# Altium PCB CanMainControl.PcbDoc
Units mil, origin at the board's own origin, x right, y up, seen from the top; angles counter-clockwise.
Board outline 3165 x 3025 mil, 4 copper layers (Top Layer, Signal, Power, Bottom Layer), stack 23.756 mil thick; 119 components, 119 nets, 460 pads, 196 vias.
Unrouted connection lines stored in the file: 74.
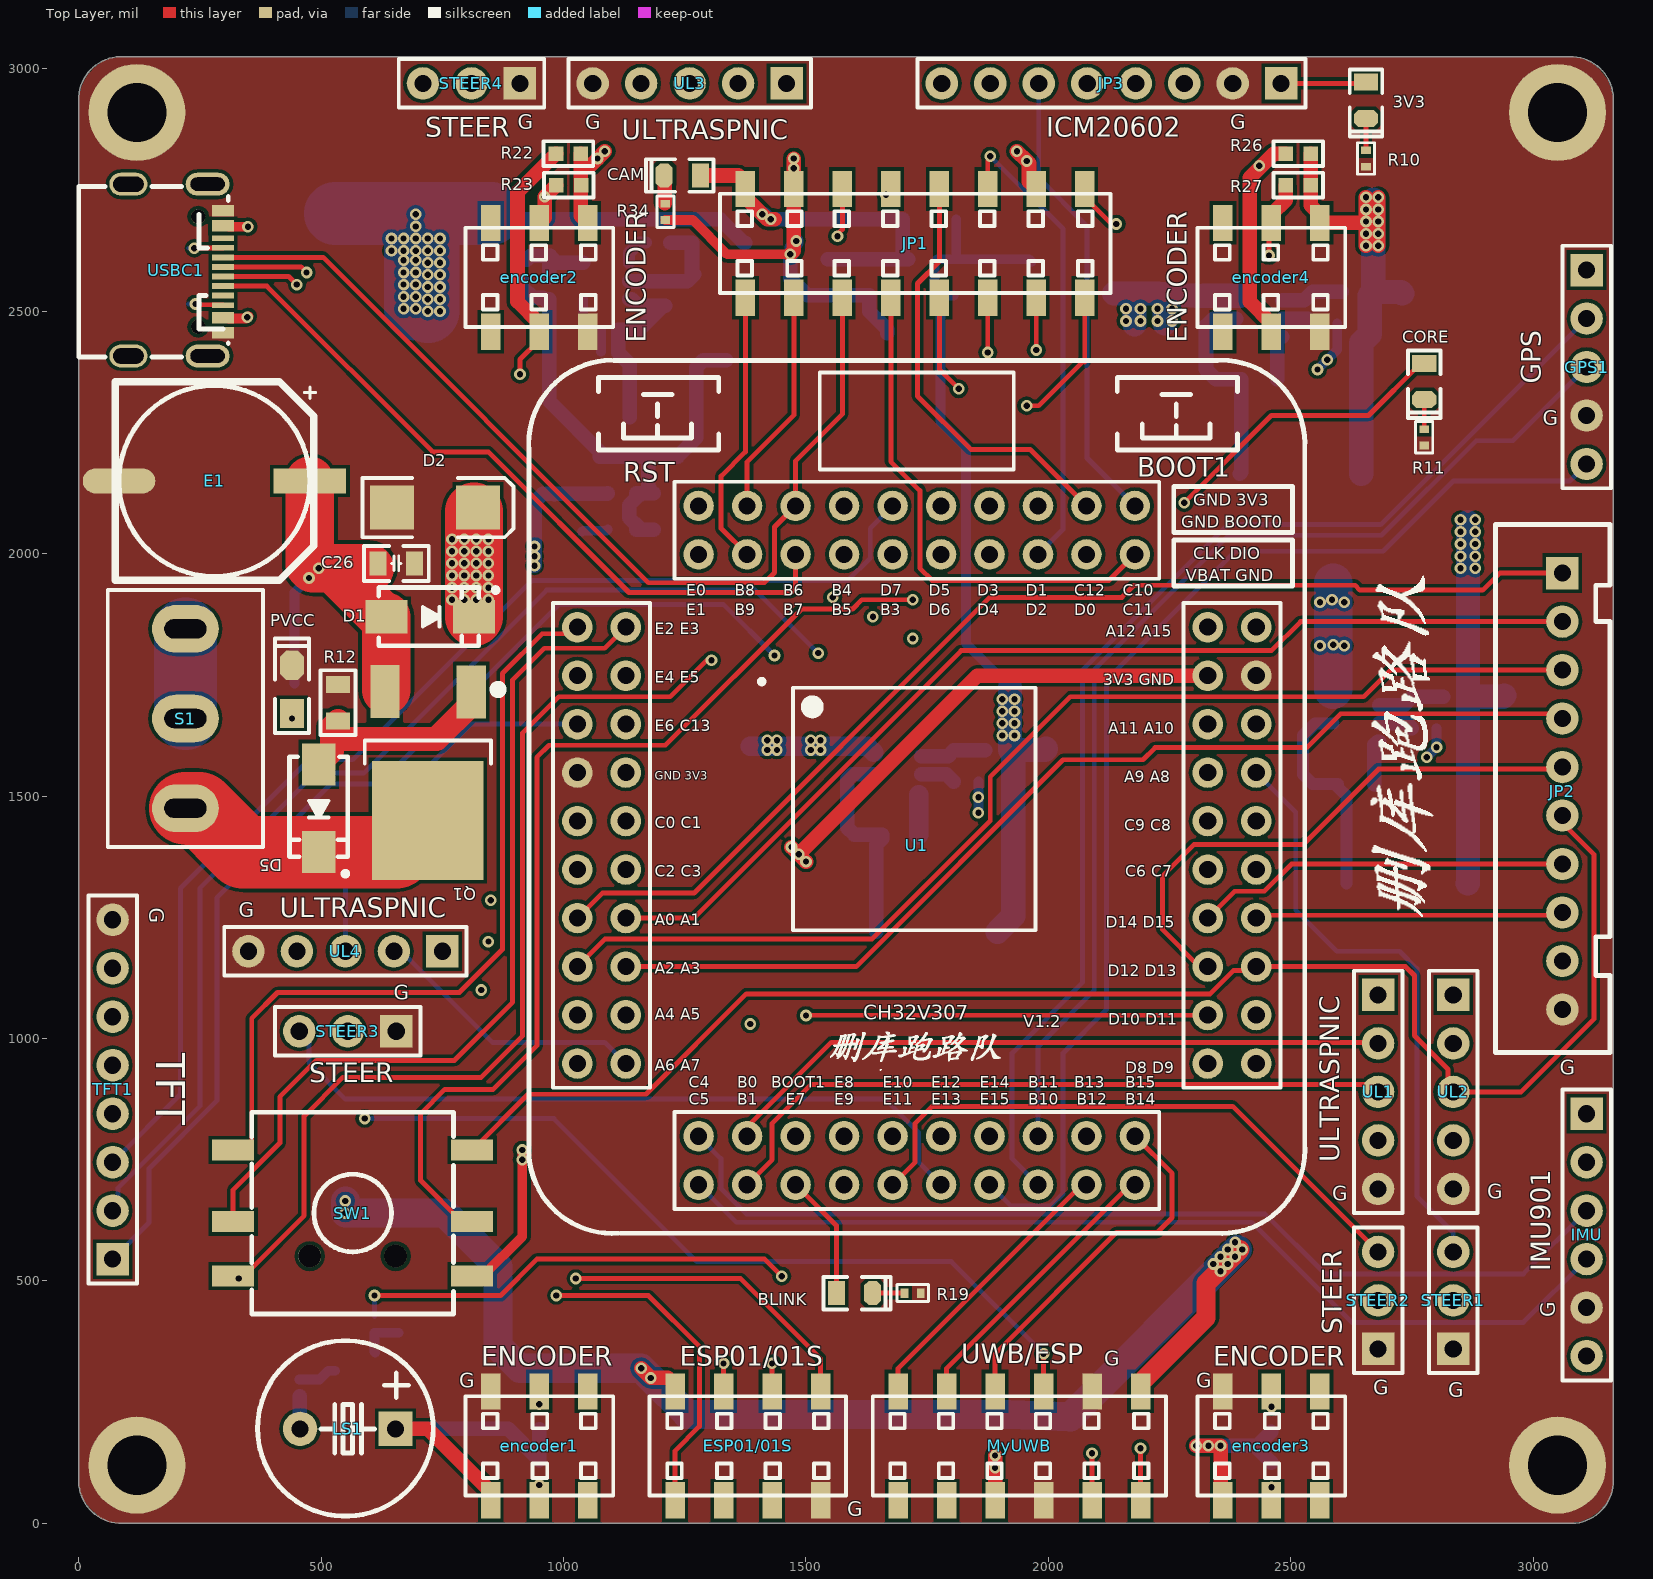
[diagram p0: Top Layer view]
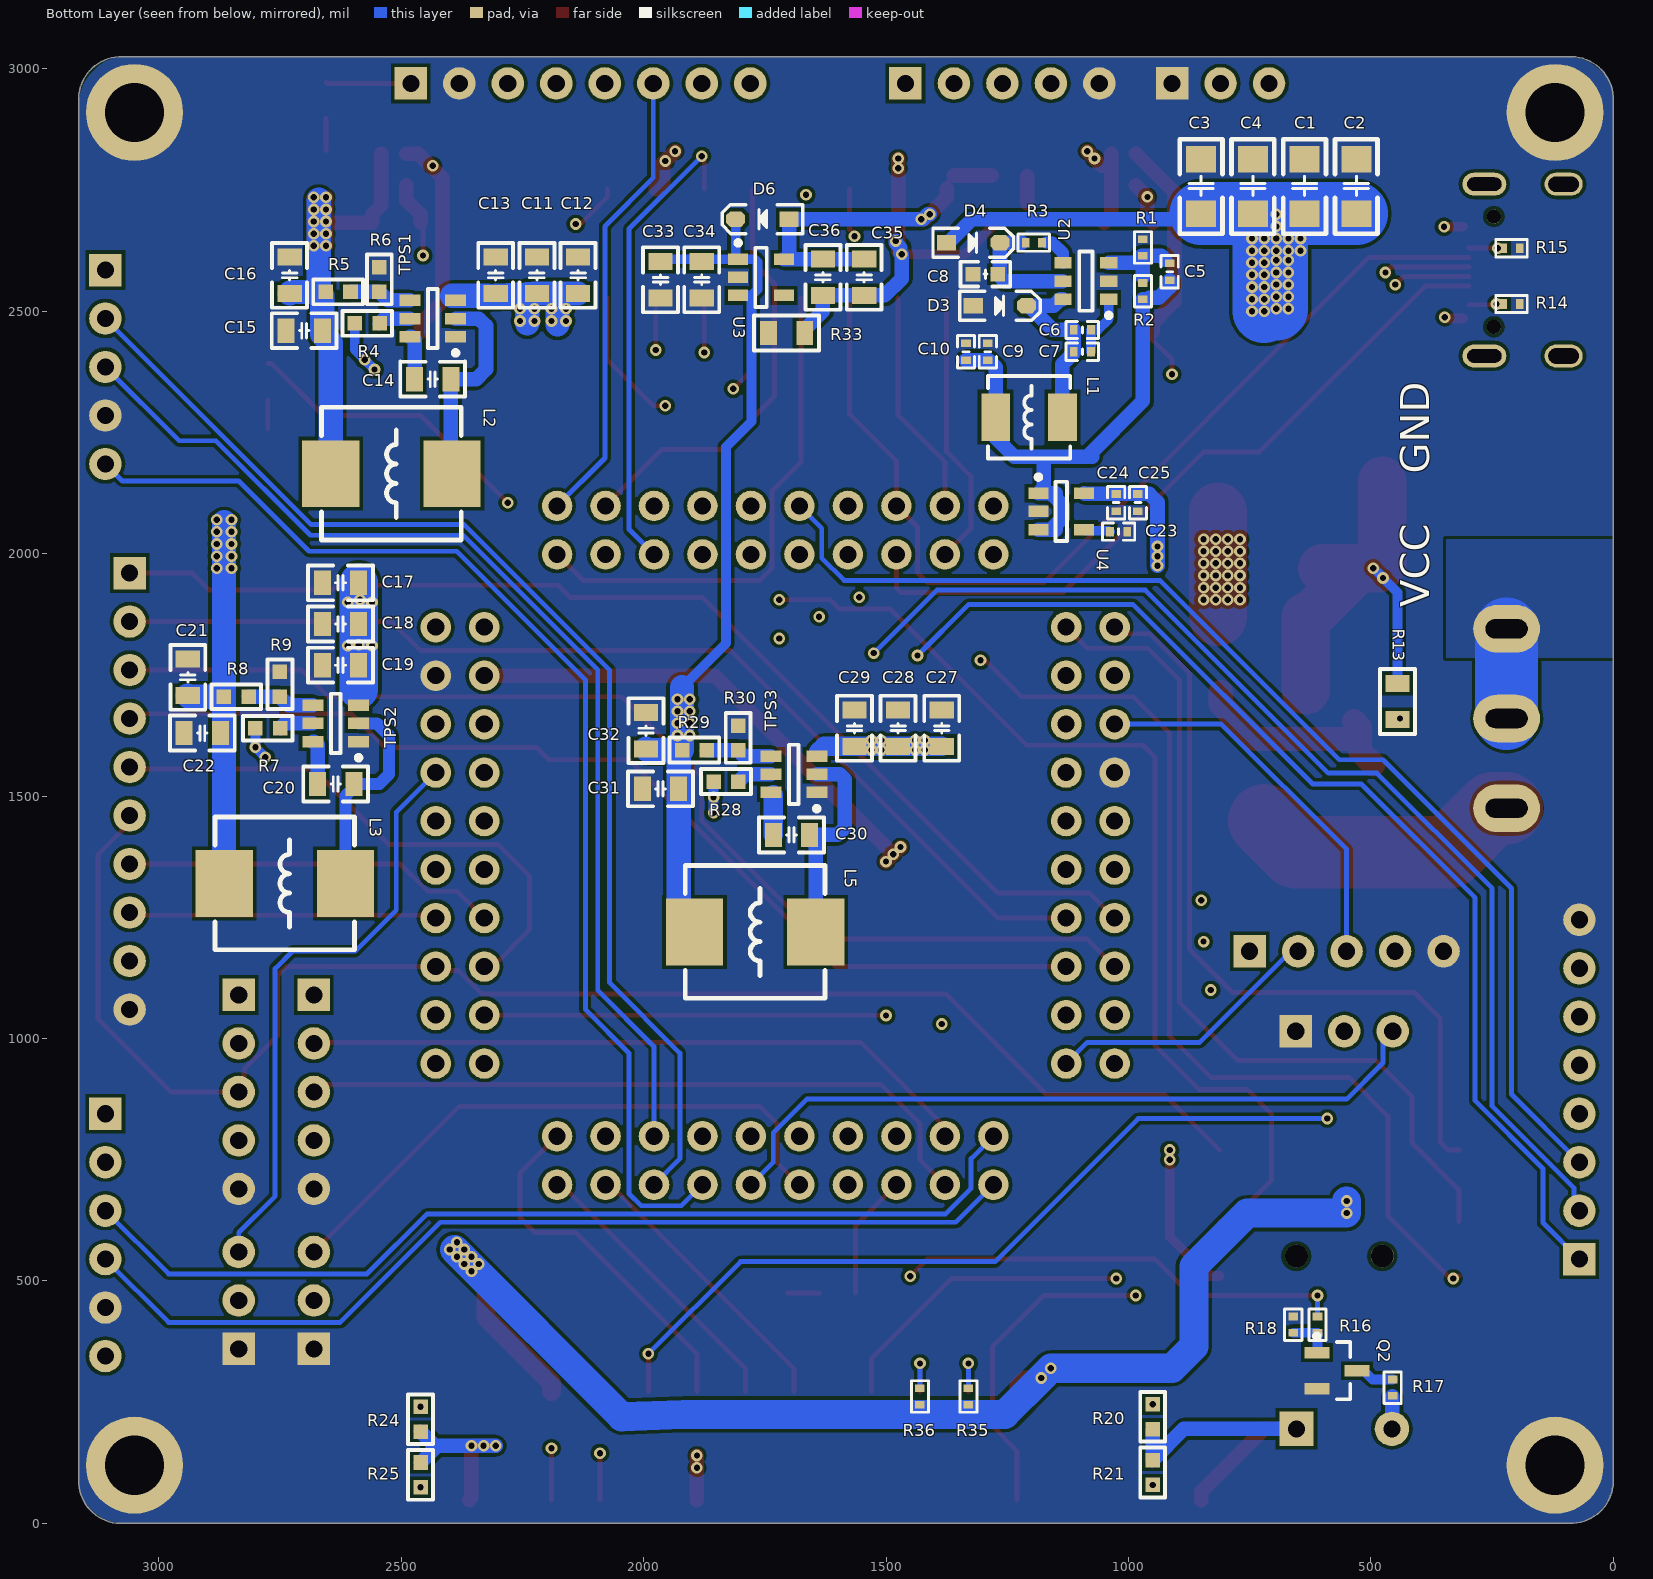
[diagram p1: Bottom Layer view, seen from below]
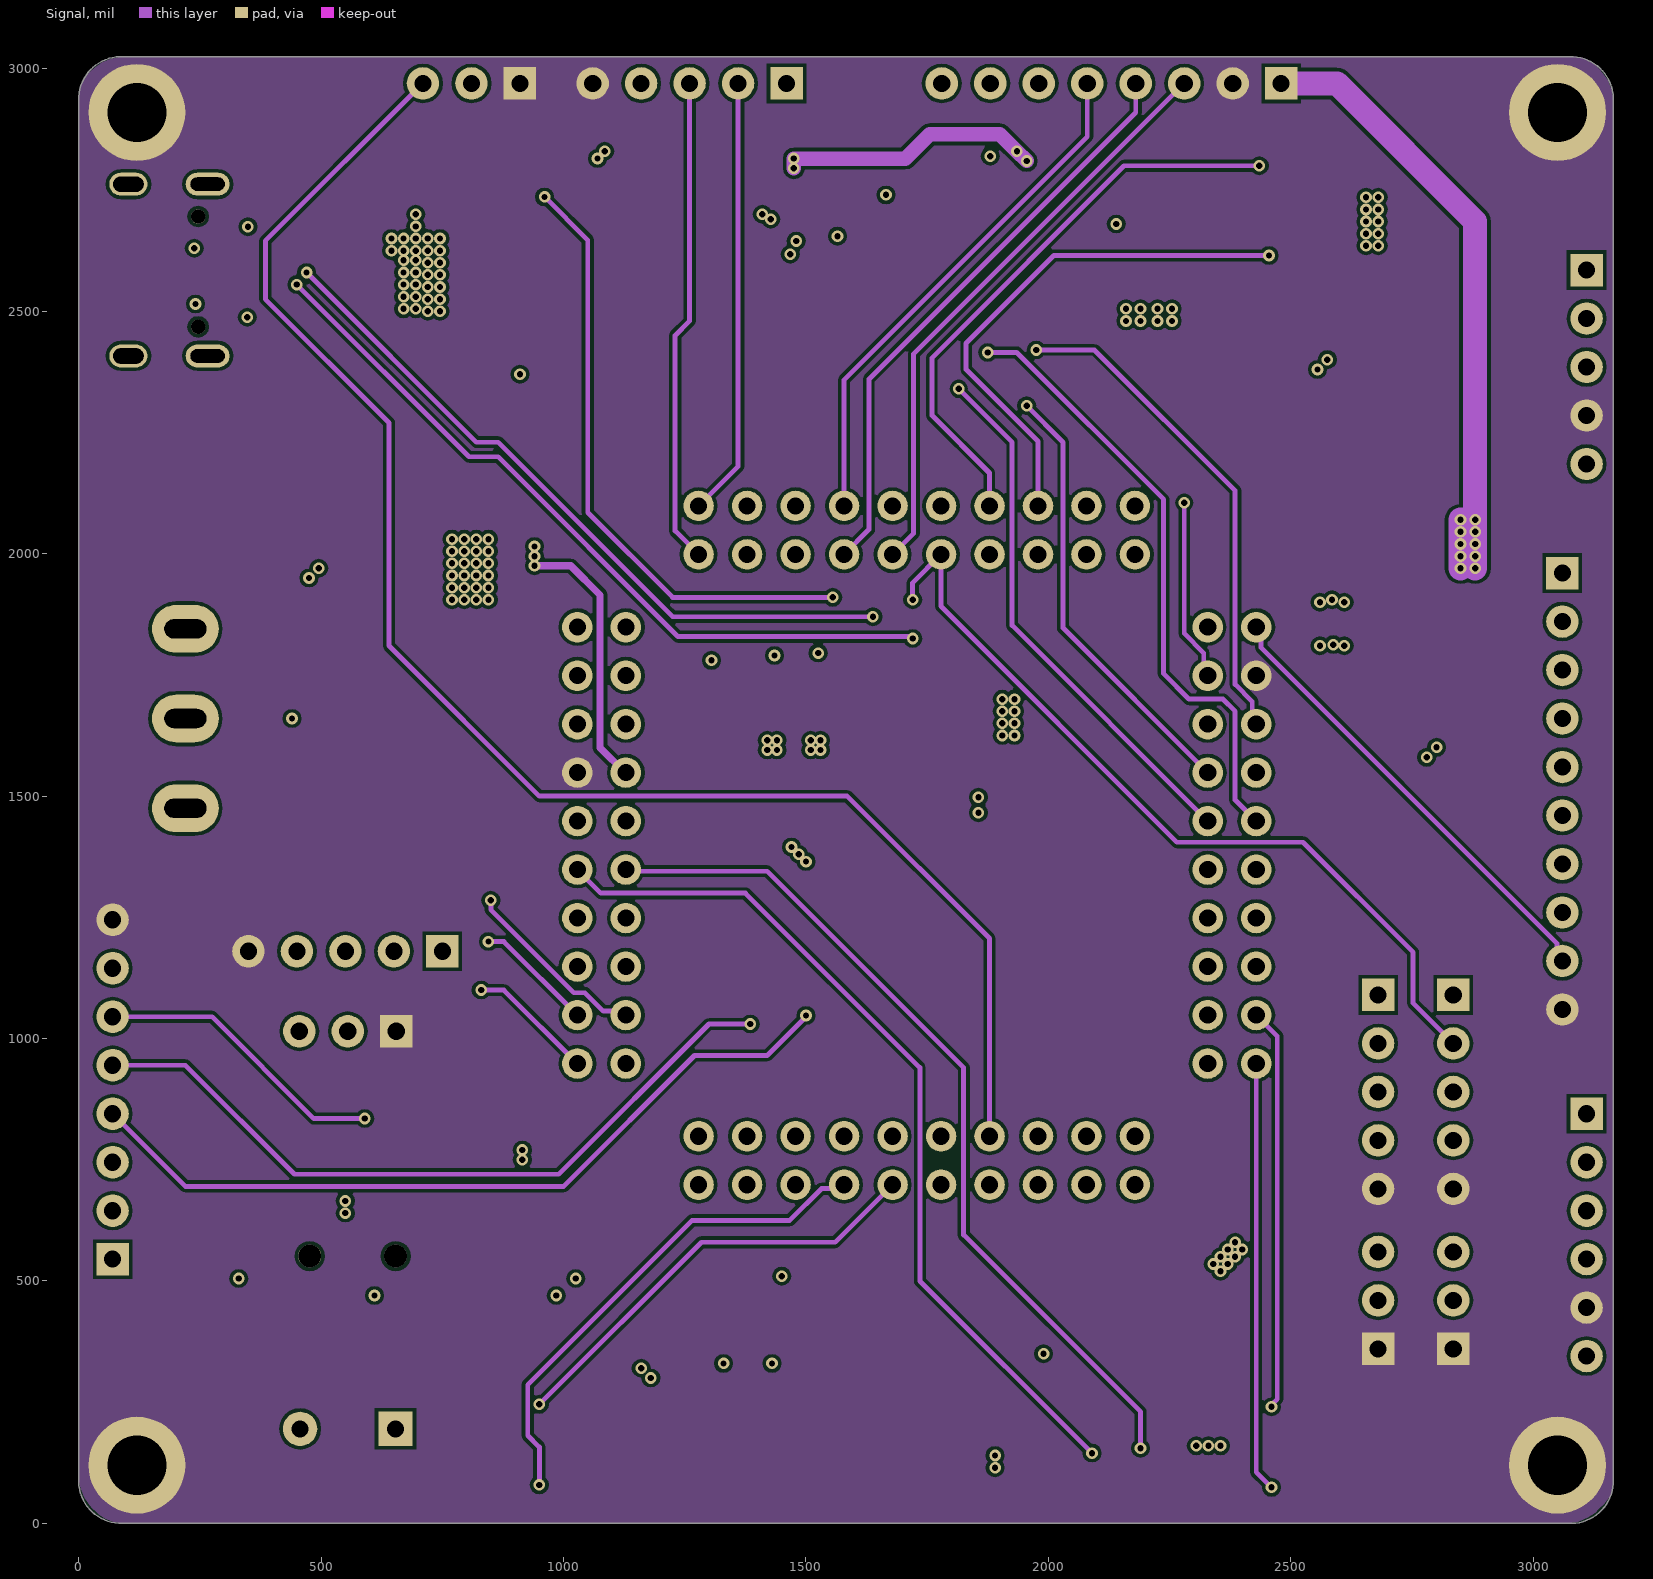
[diagram p2: Signal]
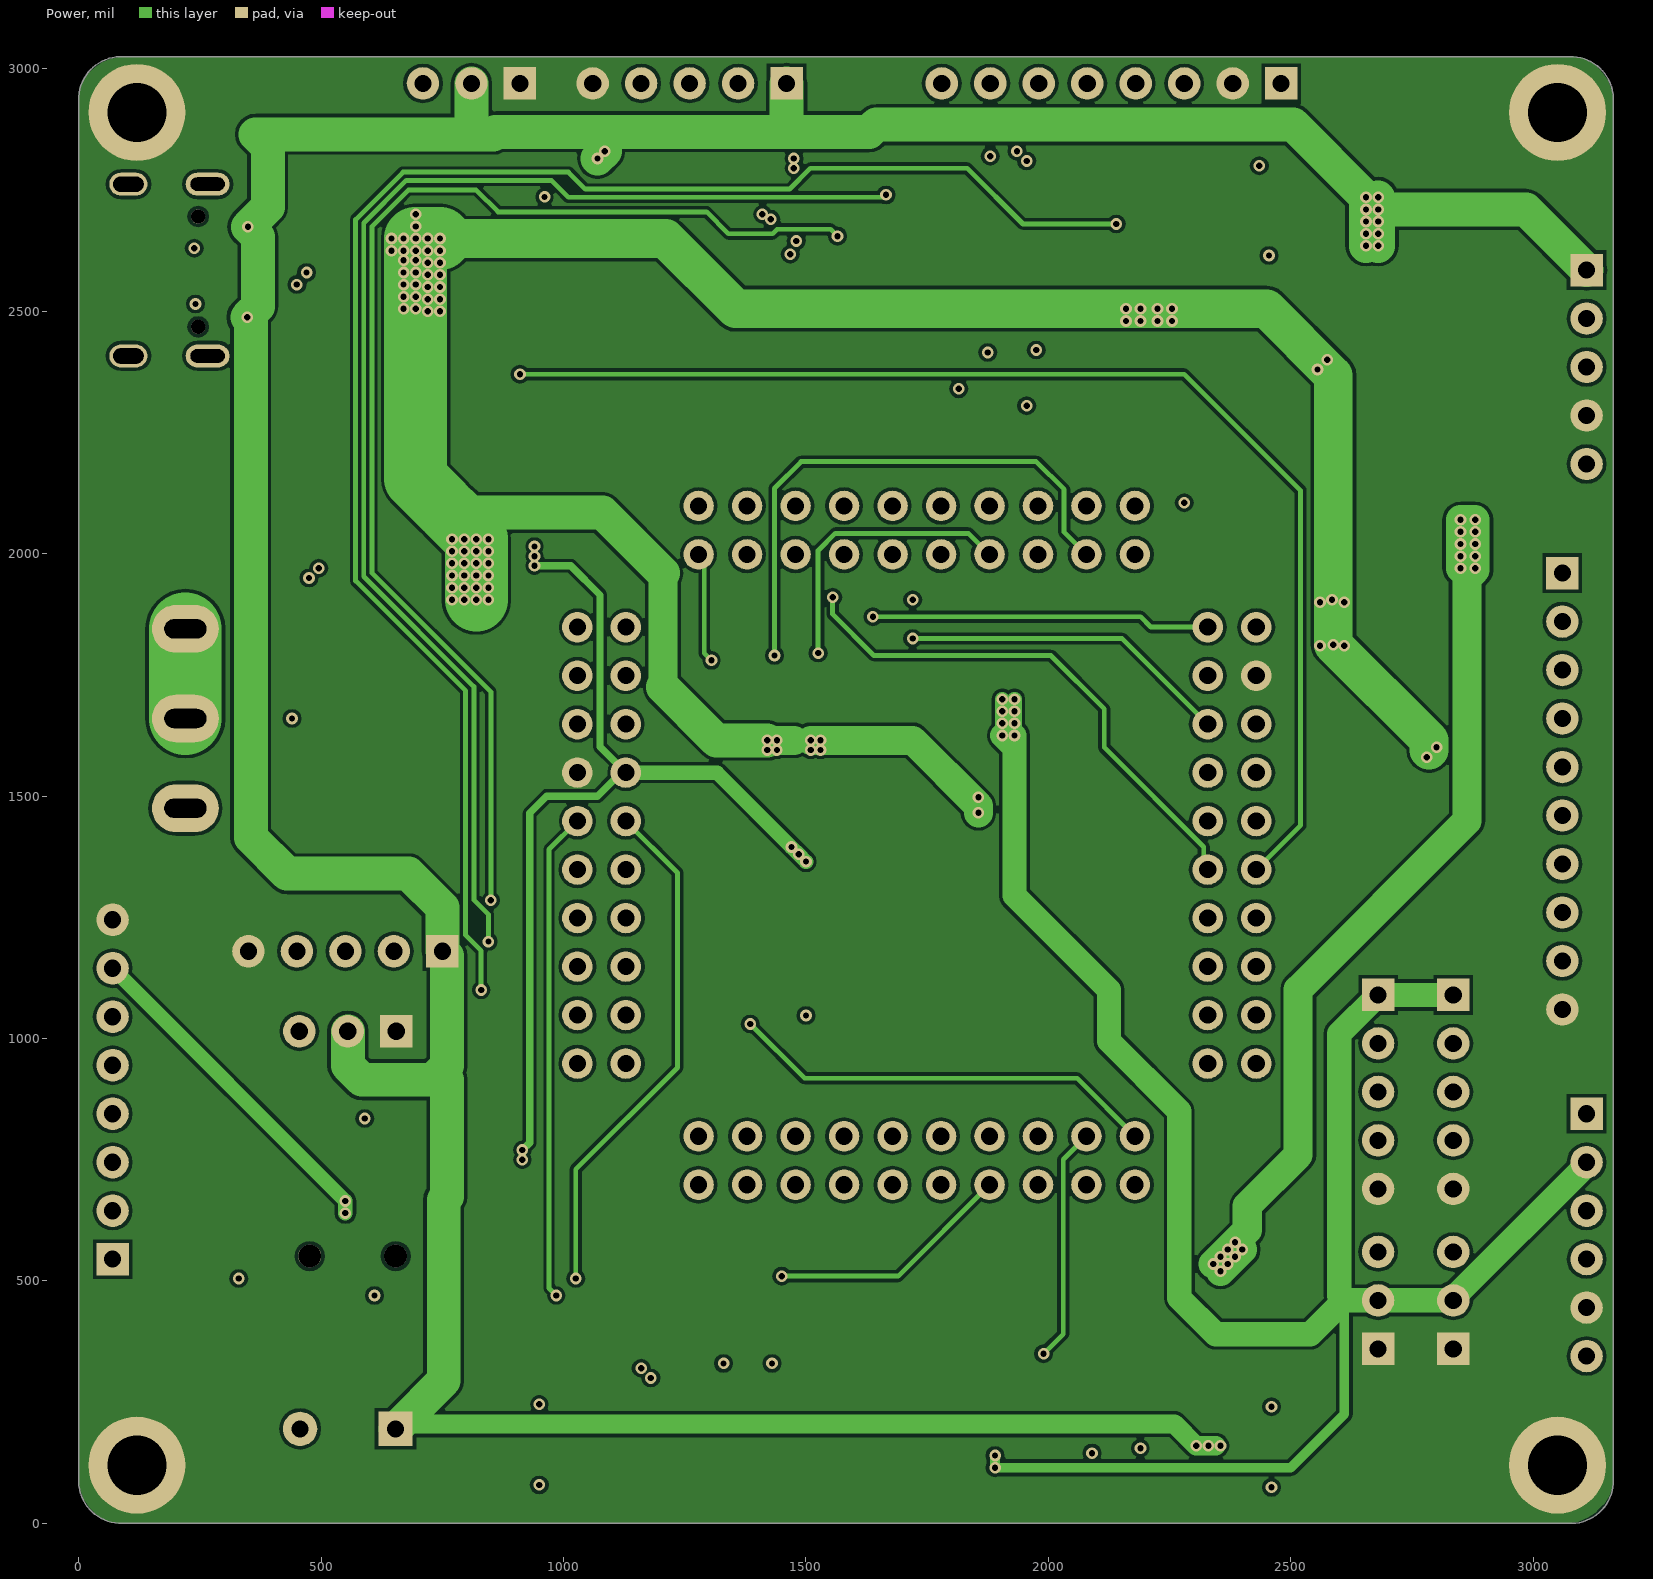
[diagram p3: Power]

## Layer stack, top to bottom
Top Solder: solder mask 0.4, Solder Resist, Dk 3.5
Top Layer: signal copper 1.4
Dielectric 2: prepreg 2.8, PP-006, Dk 4.1
Signal: signal copper 1.378
Dielectric 1: dielectric 12.6, FR-4, Dk 4.8
Power: signal copper 1.378
Dielectric 3: prepreg 2.8, PP-006, Dk 4.1
Bottom Layer: signal copper 1.4
Bottom Solder: solder mask 0.4, Solder Resist, Dk 3.5

## Board outline
0,85 0,2935 cw(c87.5,2937.5) 85,3025 3075,3025 cw(c3077.5,2937.5) 3165,2940 3165,90 cw(c3077.5,87.5) 3080,0 90,0 cw(c87.5,87.5)

## Design rules (kind name [scope] priority, off if disabled: settings)
Clearance [All] p1: gap=7 ignorepadtopadclearanceinfootprint=FALSE
PolygonConnect PolygonConnect_2 [All vs IsNamedPolygon('Top Layer-GND') Or  IsNamedPolygon('Signal-GND') Or  IsNamedPolygon('Power-GND') Or  IsNamedPolygon('Bottom Layer-GND')] p1: connectstyle=Direct reliefconductorwidth=10 reliefentries=4 polygonreliefangle="90 Angle" airgapwidth=10
PolygonConnect PolygonConnect_1 [All vs IsNamedPolygon('Bottom Layer-NetS1_1')] p2: connectstyle=Direct reliefconductorwidth=10 reliefentries=4 polygonreliefangle="90 Angle" airgapwidth=10
PolygonConnect [All] p3: connectstyle=Relief reliefconductorwidth=10 reliefentries=4 polygonreliefangle="90 Angle" airgapwidth=10
RoutingVias [All] p1: holewidth=28 width=50 viastyle="Through Hole" minholewidth=28 minwidth=50 maxholewidth=28 maxwidth=50
SolderMaskExpansion [All] p1: expansion=4
Width [All] p1: maxlimit=300 minlimit=10 preferedwidth=10
30 further rules are at their usual default settings.

## Classes and differential pairs
net class GND: GND

## Components (designator, comment, footprint, x,y, rotation, side; value= is the part's Value field where it differs from the comment)
3V3 "红色" LED0805_G 2655,2935 r270 top
BLINK "BLINK" LED0805_G 1600,475 r0 top
C1 "100uF" C1206_L 636.67,2758.43 r270 bottom
C2 "100uF" C1206_L 530,2758.43 r270 bottom
C3 "100uF" C1206_L 850,2758.43 r270 bottom
C4 "100uF" C1206_L 743.33,2758.43 r270 bottom
C5 "100pF" C0402_L 915,2581.5 r270 bottom
C6 "0.1uF" C0402_L 1095,2461.5 r180 bottom
C7 "0.1uF" C0402_L 1095,2416.5 r180 bottom
C8 "10uF/50V" C0603_L 1295,2576.5 r180 bottom
C9 "0.1uF" C0402_L 1290,2416.5 r90 bottom
C10 "10uF" C0402_L 1335,2416.5 r270 bottom
C11 "10uF" C0805_L 2220,2574.07 r270 bottom
C12 "10uF" C0805_L 2135,2574.07 r270 bottom
C13 "0.1uF" C0805_L 2305,2574.07 r270 bottom
C14 "0.1uF" C0805_L 2435,2360 r0 bottom
C15 "22uF" C0805_L 2700,2460 r0 bottom
C16 "22uF" C0805_L 2730,2574.07 r90 bottom
C17 "10uF" C0805_L 2625,1940 r180 bottom
C18 "10uF" C0805_L 2625,1855 r180 bottom
C19 "0.1uF" C0805_L 2625,1770 r180 bottom
C20 "0.1uF" C0805_L 2635,1525 r0 bottom
C21 "22uF" C0805_L 2940,1745 r90 bottom
C22 "22uF" C0805_L 2910,1630 r0 bottom
C23 "10nF" C0402_L 1020.37,2045.37 r0 bottom
C24 "0.1uF" C0402_L 1025.37,2105.37 r90 bottom
C25 "10uF" C0402_L 980.37,2105.37 r90 bottom
C26 "100nf" C0805_L 655,1980 r0 top
C27 "10uF" C0805_L 1385,1640 r270 bottom
C28 "10uF" C0805_L 1475,1640 r270 bottom
C29 "0.1uF" C0805_L 1565,1640 r270 bottom
C30 "0.1uF" C0805_L 1695,1420 r0 bottom
C31 "22uF" C0805_L 1965,1515 r0 bottom
C32 "22uF" C0805_L 1995,1635 r90 bottom
C33 "10uF/16V" C0805_L 1965,2565 r270 bottom
C34 "100nF" C0805_L 1880,2565 r270 bottom
C35 "10uF/16V" C0805_L 1545,2570 r90 bottom
C36 "100nF" C0805_L 1630,2570 r90 bottom
CAM "红色" LED0805_G 1245,2780 r180 top
CORE "红色" LED0805_G 2775,2355 r270 top
D1 "SS54" SMA 725,1870 r0 top
D2 "SMBJ28CA" SMB 735,2095 r0 top
D3 "二极管-5819W" SOD-323 1265,2511.5 r180 bottom
D4 "二极管-5819W" SOD-323 1320,2641.5 r180 bottom
D5 "SS14" SMA 495,1475 r270 top
D6 "1N5819" SOD-323 1755,2690 r0 bottom
E1 "220uF/50V" "CE F(10*10.2)" 280,2150 r0 top
encoder1 "Header3X2" HDR2.54-M-LS-2x3P 950,160 r0 top
encoder2 "Header3X2" HDR2.54-M-LS-2x3P 950,2570 r180 top
encoder3 "Header3X2" HDR2.54-M-LS-2x3P 2460,160 r0 top
encoder4 "Header3X2" HDR2.54-M-LS-2x3P 2460,2570 r180 top
ESP01/01S "Header 4X2" HDR2.54-M-LS-2x4P 1380,160 r0 top
GPS1 "HDR-1X5" HDR2.54-M-LI-5P 3110,2385 r270 top
IMU "HDR-1X6" HDR2.54-M-LI-6P 3110,595 r270 top
JP1 "Header 8X2" HDR2.54-M-LS-2x8P 1725,2640 r180 top
JP2 "HDR-1X10" XH2.54-LI-10P 3060,1510 r270 top
JP3 "HDR-1X8" HDR2.54-M-LI-8P 2130,2970 r180 top
L1 "6.8uH" L-SMD-0420 1205,2281.5 r0 bottom
L2 "3.3uH" L-SMD-0630 2520,2165 r0 bottom
L3 "2.2uH" L-SMD-0630 2740,1320 r0 bottom
L5 "3.3uH" L-SMD-0630 1770,1220 r0 bottom
LS1 "DC5V" "BEEP 5x9x5.5" 555,195 r90 top
MyUWB "Header 6X2" HDR2.54-M-LS-2x6P 1940,160 r180 top
PVCC "POWER" "LED 0805R" 440,1720 r90 top (schematic designator VCC_POWER)
Q1 "D15P05" TO252 720,1595 r180 top
Q2 "SS8050" SOT23-3N 570,315 r180 bottom
R1 "1.8K" R0402_L 970,2631.5 r270 bottom
R2 "10K" R0402_L 970,2541.5 r270 bottom
R3 "1M" R0402_L 1195,2641.5 r0 bottom
R4 "10K" R0603_L 2570,2475 r0 bottom
R5 "54.9K" R0603_L 2630,2540 r180 bottom
R6 "10K" R0603_L 2545,2565.59 r270 bottom
R7 "10K" R0603_L 2775,1640 r0 bottom
R8 "33.2K" R0603_L 2840,1705 r180 bottom
R9 "10K" R0603_L 2750,1730.59 r270 bottom
R10 "1K" R0402_L 2655,2815 r90 top
R11 "1K" R0402_L 2775,2240 r90 top
R12 "10K" R0805_L 535,1692.6 r90 top
R13 "10K" R0805_L 445,1695 r270 bottom
R14 "5.1K" R0402_L 210,2515 r180 bottom
R15 "5.1K" R0402_L 210,2630 r0 bottom
R16 "1K" R0402_L 610,410 r270 bottom
R17 "1K" R0402_L 455,280 r270 bottom
R18 "100K" R0402_L 660,410 r270 bottom
R19 "1K" R0402_L 1720,475 r0 top
R20 "4.7K" R0603_L 950,220 r270 bottom
R21 "4.7K" R0603_L 950,105 r90 bottom
R22 "4.7K" R0603_L 1010,2825 r0 top
R23 "4.7K" R0603_L 1010.59,2760 r0 top
R24 "4.7K" R0603_L 2460,215 r270 bottom
R25 "4.7K" R0603_L 2460,100 r90 bottom
R26 "4.7K" R0603_L 2515,2825 r0 top
R27 "4.7K" R0603_L 2515,2760 r0 top
R28 "10K" R0603_L 1830,1530 r0 bottom
R29 "54.9K" R0603_L 1895,1595 r180 bottom
R30 "10K" R0603_L 1805,1620 r270 bottom
R33 "0R" R0805_L 1705,2455 r180 bottom
R34 "1K" R0402_L 1210,2705 r90 top
R35 "10K" R0402_L 1330,261.73 r90 bottom
R36 "10K" R0402_L 1430,261.73 r90 bottom
S1 "MTS-10x" MTS-10x 220,1660.04 r270 top
STEER1 "HDR-1X3" HDR2.54-LI-3P 2835,460 r90 top
STEER2 "HDR-1X3" HDR2.54-LI-3P 2680,460 r90 top
STEER3 "HDR-1X3" HDR2.54-LI-3P 555,1015 r180 top
STEER4 "HDR-1X3" HDR2.54-LI-3P 810,2970 r180 top
SW1 "5KEY" "SW 10x10x9-5Key-LS" 565,640 r180 top
TFT1 "HDR-1X8" HDR2.54-M-LI-8P 70,895 r90 top
TPS1 "TPS563201" SOT23-6N 2435,2485 r0 bottom
TPS2 "TPS563201" SOT23-6N 2635,1650 r0 bottom
TPS3 "TPS563201" SOT23-6N 1690,1545 r0 bottom
U1 "CH32V307_CoreBoard" CH32V307_PCB 1728.5,1498.5 r0 top
U2 "ME3116" SOT23-6 1087.81,2562.21 r0 bottom
U3 "" SOT23-5 1757.76,2570 r180 bottom
U4 "LP2992" SOT23-5 1138.46,2087.22 r180 bottom
UL1 "HDR-1X5" HDR2.54-M-LI-5P 2680,890 r270 top
UL2 "HDR-1X5" HDR2.54-M-LI-5P 2835,890 r270 top
UL3 "HDR-1X5" HDR2.54-M-LI-5P 1260,2970 r180 top
UL4 "HDR-1X5" HDR2.54-M-LI-5P 550,1180 r180 top
USBC1 "TYPE-C 2.0 -16P" USB-C-SMD_TYPE-C-USB-5 200,2585 r270 top

## Footprints (in the part's own frame and the unit in brackets; to place one, negate y for a bottom-side part, rotate by r counter-clockwise, add the part's x,y. Pads: shape width x height; smd on the part's side, far side on the other; paste and mask are expansions set on the pad)
"BEEP 5x9x5.5" [mm] "5*9*5.5mm(脚距,直径,高度)        淘宝ID:黄晶宝石"
  rect 1.8x1.8 hole 0.9: 1(0,-2.5)
  round 1.8 hole 0.9: 2(0,2.5)
  silkscreen extent -4.57,-4.47 4.62,4.73, body extent -4.5,-4.5 4.5,4.5, height 5.45
C0402_L [mm] "贴片MLCC电容"
  rect 0.4x0.5 smd: 1(-0.45,0) 2(0.45,0)
  silkscreen extent -0.85,-0.45 0.85,0.45, body extent -0.5,-0.26 0.5,0.26, height 0.54
C0603_L [mil] "贴片MLCC电容"
  rect 30x30 smd: 1(-25.59,0) 2(25.59,0)
  silkscreen extent -51,-26 51,26, body extent -31,-16 31,16, height 33
C0805_L [mil] "贴片MLCC电容"
  rect 35x50 smd: 1(-37.4,0) 2(37.4,0)
  silkscreen extent -67,-36 67,36, body extent -39,-24 39,24, height 22
C1206_L [mil] "贴片MLCC电容"
  rect 55x62 smd: 1(-55.12,0) 2(57.09,0)
  silkscreen extent -96,-44 98,44, body extent -63,-32 63,32, height 50
"CE F(10*10.2)" [mm] "贴片电解电容，直径10mm，高10.2mm"
  rect 3.8x1.3 smd: 1(5,0)
  oval 3.8x1.3 smd: 2(-5,0)
  silkscreen extent -5.2,-5.2 5.3,5.2, body extent -5.8,-5.15 5.8,5.15, height 10.28
CH32V307_PCB [mm]
  round 1.6 hole 0.9: 1(-15.24,8.89) 2(-17.78,8.89) 3(-15.24,6.35) 4(-17.78,6.35) 5(-15.24,3.81) 6(-17.78,3.81) 7(-15.24,1.27) 8(-17.78,1.27) 9(-15.24,-1.27) 10(-17.78,-1.27) 11(-15.24,-3.81) 12(-17.78,-3.81) 13(-15.24,-6.35) 14(-17.78,-6.35) 15(-15.24,-8.89) 16(-17.78,-8.89) 17(-15.24,-11.43) 18(-17.78,-11.43) 19(-15.24,-13.97) 20(-17.78,-13.97) 21(-11.43,-17.78) 22(-11.43,-20.32) 23(-8.89,-17.78) 24(-8.89,-20.32) 25(-6.35,-17.78) 26(-6.35,-20.32) 27(-3.81,-17.78) 28(-3.81,-20.32) 29(-1.27,-17.78) 30(-1.27,-20.32) 31(1.27,-17.78) 32(1.27,-20.32) 33(3.81,-17.78) 34(3.81,-20.32) 35(6.35,-17.78) 36(6.35,-20.32) 37(8.89,-17.78) 38(8.89,-20.32) 39(11.43,-17.78) 40(11.43,-20.32) 41(15.24,-13.97) 42(17.78,-13.97) 43(15.24,-11.43) 44(17.78,-11.43) 45(15.24,-8.89) 46(17.78,-8.89) 47(15.24,-6.35) 48(17.78,-6.35) 49(15.24,-3.81) 50(17.78,-3.81) 51(15.24,-1.27) 52(17.78,-1.27) 53(15.24,1.27) 54(17.78,1.27) 55(15.24,3.81) 56(17.78,3.81) 57(15.24,6.35) 58(17.78,6.35) 59(15.24,8.89) 60(17.78,8.89) 61(11.43,12.7) 62(11.43,15.24) 63(8.89,12.7) 64(8.89,15.24) 65(6.35,12.7) 66(6.35,15.24) 67(3.81,12.7) 68(3.81,15.24) 69(1.27,12.7) 70(1.27,15.24) 71(-1.27,12.7) 72(-1.27,15.24) 73(-3.81,12.7) 74(-3.81,15.24) 75(-6.35,12.7) 76(-6.35,15.24) 77(-8.89,12.7) 78(-8.89,15.24) 79(-11.43,12.7) 80(-11.43,15.24)
  silkscreen extent -20.33,-22.87 20.33,22.87
HDR2.54-LI-3P [mm] "排针，3脚                        联系卖家 免费查找封装"
  rect 1.7x1.7 hole 0.9: 1(-2.54,0)
  round 1.7 hole 0.9: 2(0,0) 3(2.54,0)
  silkscreen extent -3.81,-1.27 3.81,1.27, body extent -3.81,-1.27 3.81,1.27, height 2.54
HDR2.54-M-LI-5P [mm] "排母，5脚"
  rect 1.7x1.7 hole 0.9: 1(-5.08,0)
  round 1.7 hole 0.9: 2(-2.54,0) 3(0,0) 4(2.54,0) 5(5.08,0)
  silkscreen extent -6.35,-1.27 6.35,1.27, body extent -6.35,-1.27 6.35,1.27, height 8.5
HDR2.54-M-LI-6P [mm] "排母，6脚"
  rect 1.7x1.7 hole 0.9: 1(-6.35,0)
  round 1.7 hole 0.9: 2(-3.81,0) 3(-1.27,0) 4(1.27,0) 5(3.81,0) 6(6.35,0)
  silkscreen extent -7.62,-1.27 7.62,1.27, body extent -7.62,-1.27 7.62,1.27, height 8.5
HDR2.54-M-LI-8P [mm] "排母，8脚"
  rect 1.7x1.7 hole 0.9: 1(-8.89,0)
  round 1.7 hole 0.9: 2(-6.35,0) 3(-3.81,0) 4(-1.27,0) 5(1.27,0) 6(3.81,0) 7(6.35,0) 8(8.89,0)
  silkscreen extent -10.16,-1.27 10.16,1.27, body extent -10.16,-1.27 10.16,1.27, height 8.5
HDR2.54-M-LS-2x3P [mm] "脚距：2.54mm，贴片双排母"
  rect 1.02x1.9 smd: 1(-2.54,2.85) 2(-2.54,-2.85) 3(0,2.85) 4(0,-2.85) 5(2.54,2.85) 6(2.54,-2.85)
  silkscreen extent -3.87,-2.6 3.87,2.6, body extent -3.84,-3.2 3.84,3.2, height 5.15
HDR2.54-M-LS-2x4P [mm] "脚距：2.54mm，贴片双排母"
  rect 1.02x1.9 smd: 1(-3.81,2.85) 2(-3.81,-2.85) 3(-1.27,2.85) 4(-1.27,-2.85) 5(1.27,2.85) 6(1.27,-2.85) 7(3.81,2.85) 8(3.81,-2.85)
  silkscreen extent -5.15,-2.6 5.14,2.6, body extent -5.11,-3.2 5.11,3.2, height 5.15
HDR2.54-M-LS-2x6P [mm] "脚距：2.54mm，贴片双排母"
  rect 1.02x1.9 smd: 1(-6.35,2.85) 2(-6.35,-2.85) 3(-3.81,2.85) 4(-3.81,-2.85) 5(-1.27,2.85) 6(-1.27,-2.85) 7(1.27,2.85) 8(1.27,-2.85) 9(3.81,2.85) 10(3.81,-2.85) 11(6.35,2.85) 12(6.35,-2.85)
  silkscreen extent -7.69,-2.6 7.68,2.6, body extent -7.65,-3.2 7.65,3.2, height 5.15
HDR2.54-M-LS-2x8P [mm] "脚距：2.54mm，贴片双排母"
  rect 1.02x1.9 smd: 1(-8.89,2.85) 2(-8.89,-2.85) 3(-6.35,2.85) 4(-6.35,-2.85) 5(-3.81,2.85) 6(-3.81,-2.85) 7(-1.27,2.85) 8(-1.27,-2.85) 9(1.27,2.85) 10(1.27,-2.85) 11(3.81,2.85) 12(3.81,-2.85) 13(6.35,2.85) 14(6.35,-2.85) 15(8.89,2.85) 16(8.89,-2.85)
  silkscreen extent -10.23,-2.6 10.22,2.6, body extent -10.19,-3.2 10.19,3.2, height 5.15
L-SMD-0420 [mm] "一体化成型电感                联系卖家 免费查找封装"
  rect 1.5x2.5 smd: 1(-1.75,0) 2(1.75,0)
  silkscreen extent -2.16,-2.16 2.16,2.16, body extent -2.25,-2.05 2.25,2.05
L-SMD-0630 [mm] "一体化成型电感"
  rect 3x3.5 smd: 1(-3.175,0) 2(3.175,0)
  silkscreen extent -3.66,-3.48 3.66,3.48, body extent -3.47,-3.3 3.48,3.3
LED0805_G [mil] "绿色0805LED            联系卖家 免费查找封装"
  rect 35x50 smd: 1(-37.4,0)
  oct 35x50 smd: 2(37.4,0)
  silkscreen extent -64,-33 75,33, body extent -39,-25 39,25, height 32
"LED 0805R" [mil] "红色0805LED                                       淘宝ID:黄晶宝石"
  rect 60x50 smd: 1(-50,0)
  oct 60x50 smd: 2(50,0)
  silkscreen extent -90,-35 105,35, body extent -39,-25 39,25, height 32
MTS-10x [mm] "MTS10系列3脚扭子开关"
  oval 2.5x3.5 hole 1 slot 2.2 at 90 deg: 1(-4.7,0) 2(0,0) 3(4.7,0)